# KiCad board NF-Grundplatte.kicad_pcb (continued)
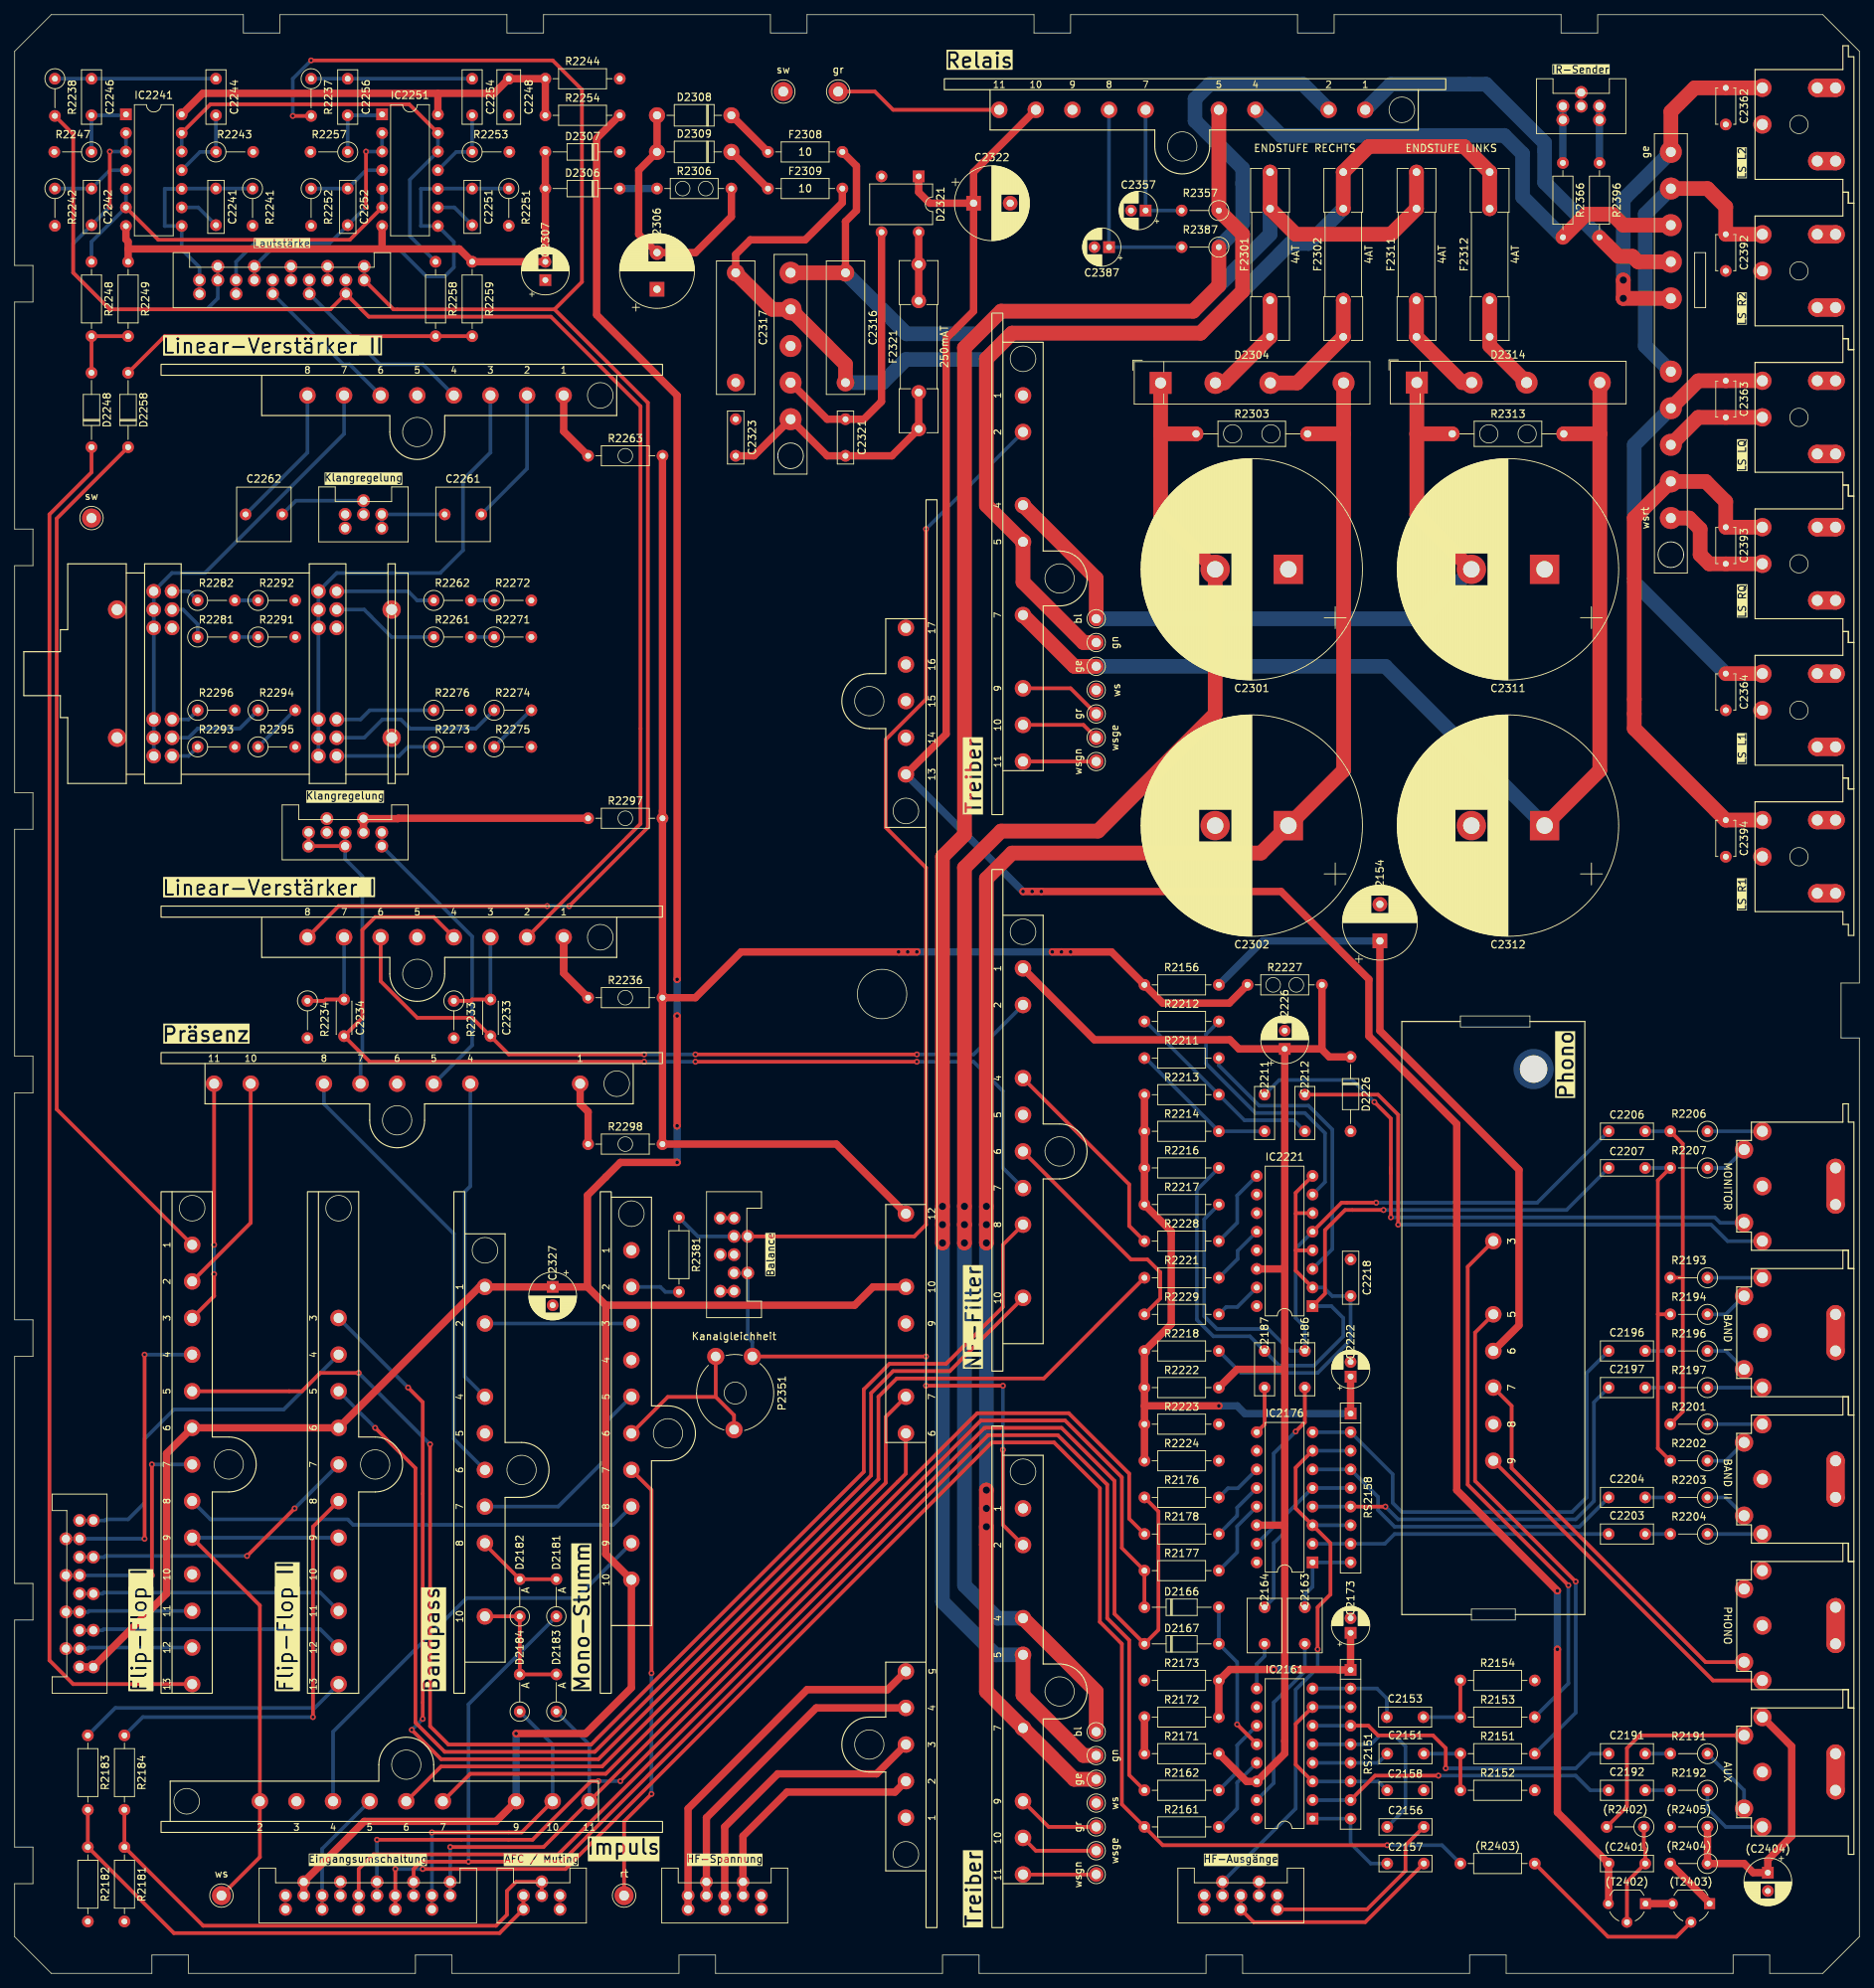
[diagram p0: board, top side]
## Routing (per net, layer and track width the routed paths; a pad name or vN(x,y) marks a point on that pad's centre or on a via; arc(x,y) is an arc through that point) (continued)
SW-PHONO: length 208
  Top w0.5: R2162.2 152.25,27.09 152.25,45.5 149.25,48.5 149.25,66.75 142.5,73.5 133,73.5 74.75,15.25 v1(62,15.25) 55.5,15.25 54.5,14.25 J16.3
  Bottom w0.5: J16.3 J16.3 ; D2181.1 62,36.75 v1(62,15.25)
SW-PRESENCE: length 42.4
  Top w0.5: v1(17.75,59.35) v1(17.75,84.5)
  Bottom w0.5: J3.4 v1(17.75,84.5) ; J21.2 v1(17.75,59.35)
SW-PWR-AM: length 87.3
  Top w0.5: J31.6 121.75,68.25 80.75,27.25 62.25,27.25 J9.7
SW-PWR-FM: length 96.4
  Top w0.5: J9.6 58.25,28.25 80.25,28.25 119,67 119,76 J31.7
SW-RUMBLE: length 32.4
  Top w0.5: v1(18.75,69.5) v1(18.75,54.35)
  Bottom w0.5: J3.7 v1(18.75,69.5) ; J21.4 v1(18.75,54.35)
TREIBER-L-IN: length 153.8
  Top w0.5: J19.4 122.9,100.65 124.5,102.25 124.5,151 119,156.5 119,168.5 124.5,174 v1(124.5,197.25)
  Bottom w0.5: J19.4 93.33,100.65 R2381.2 ; J2.2 v1(124.5,197.25)
TREIBER-R-IN: length 74.6
  Top w0.5: J4.2 135,61.25 v1(135,71.5) ; P2351.3 v1(124.5,84.25) ; v1(124.5,80.25) v1(135,80.25)
  Bottom w0.5: P2351.3 100.78,86.22 100.15,86.85 J19.2 J19.2 ; v1(135,80.25) v1(135,71.5) ; v1(124.5,84.25) v1(124.5,80.25)
VOLUME-L1: length 57.9
  Bottom w0.5: R2251.1 C2251.2 57.86,243.75 IC2251.10 55.5,243.72 55.5,238.63 IC2251.8 60,236.45 60,233 58.75,231.75 56.25,231.75 52.75,235.25 34.88,235.25 J22.7 J22.7
VOLUME-L2: length 37.5
  Top w0.5: v1(48,241.25) v1(48,248.8)
  Bottom w0.5: v1(48,241.25) C2252.1 43,236.25 32.75,236.25 30.25,233.75 J22.8 J22.8 ; IC2251.2 IC2251.3 v1(48,248.8)
VOLUME-R1: length 29.7
  Bottom w0.5: R2241.1 C2241.2 22.85,243.75 IC2241.10 20.5,243.72 20.5,238.63 IC2241.8 22.82,235.43 25.25,233 J22.10
VOLUME-R2: length 50.7
  Top w0.5: v1(13,241.25) v1(13,248.8)
  Bottom w0.5: v1(13,248.8) IC2241.3 ; IC2241.3 IC2241.2 ; IC2241.3 15.75,248.75 ; v1(13,241.25) C2242.1 8,236.25 8,232.25 13,227.25 26.25,227.25 27.75,228.75 J22.9
~10V-1: length 38.6
  Top w1: J23.2 111,212.25 C2321.2 116,212.25 118.42,214.67 D2321.3
~10V-2: length 35.7
  Top w1: F2321.2 F2321.2 119.84,207.25 C2321.1 111,207.25 J23.1 101,207.25 C2323.1
~30V-1: length 128.9
  Top w1: C2316.2 113.5,239.25 115,240.75 115,246.82 F2308.1
  Top w2: F2311.1 F2311.1 188,237.5 175,237.5 F2301.1 F2301.1 ; J23.5 C2316.2
  Bottom w2: F2301.1 171.5,237.5 161,227 134.75,227 131.66,223.91 121.84,223.91 C2316.2
~30V-2: length 155.3
  Top w1: C2317.1 98.5,234.75 100.5,236.75 108,236.75 113.07,241.82 F2309.1
  Top w2: F2302.2 F2302.2 185,249.5 198,249.5 F2312.2 F2312.2 ; C2317.1 103.5,227.25 J23.4 113.5,219.75 C2316.1
  Bottom w2: C2316.1 118.59,217.25 121.75,220.41 132.66,220.41 136.25,224 162,224 174.25,236.25 176.75,236.25 F2302.2
Net-(C2151-Pad2): length 10
  Top w0.5: R2151.2 R2152.1
  Bottom w0.5: R2151.2 C2151.2
Net-(C2153-Pad2): length 10.1
  Top w0.5: R2154.1 R2153.2
  Bottom w0.5: R2153.2 C2153.2
Net-(C2191-Pad1): length 3.4
  Bottom w0.5: C2191.1 R2191.2
Net-(C2192-Pad1): length 3.4
  Bottom w0.5: C2192.1 R2192.2
Net-(C2196-Pad1): length 3.4
  Bottom w0.5: R2196.2 C2196.1
Net-(C2197-Pad1): length 3.4
  Bottom w0.5: R2197.2 C2197.1
Net-(C2203-Pad1): length 3.4
  Bottom w0.5: C2203.1 R2204.2
Net-(C2204-Pad1): length 3.4
  Bottom w0.5: C2204.1 R2203.2
Net-(C2211-Pad1): length 83.1
  Top w0.5: v1(185.75,119) 188,116.75 188,109.25 ; v1(188,103.25) 188,110
  Bottom w0.5: v1(188,103.25) 232.25,103.25 233,102.5 J26.4 ; C2211.1 172.75,122 182.75,122 v1(185.75,119)
Net-(C2211-Pad2): length 20.6
  Bottom w0.5: R2211.1 154.5,125 R2214.2 C2211.2
Net-(C2212-Pad1): length 79.6
  Top w0.5: C2212.1 186.25,120 189,117.25 v1(189,102.25)
  Bottom w0.5: v1(189,102.25) 231.75,102.25 234,100 J26.3
Net-(C2212-Pad2): length 28.1
  Bottom w0.5: R2212.1 154.5,130 R2213.2 168,116.5 174.75,116.5 C2212.2
Net-(C2241-Pad1): length 5.7
  Bottom w0.5: IC2241.9 25.08,241.18 C2241.1
Net-(C2242-Pad2): length 10.7
  Bottom w0.5: IC2241.4 13,246.25 C2242.2 R2242.1
Net-(C2244-Pad1): length 22
  Bottom w0.5: R2238.1 C2246.1 C2244.1
Net-(C2244-Pad2): length 10.7
  Bottom w0.5: C2244.2 R2243.1 25.31,248.75 IC2241.11
Net-(C2246-Pad2): length 9.8
  Bottom w0.5: IC2241.1 15.08,253.75 C2246.2 R2247.1
Net-(C2251-Pad1): length 5.7
  Bottom w0.5: C2251.1 60.08,241.18 IC2251.9
Net-(C2252-Pad2): length 10.7
  Bottom w0.5: R2252.1 C2252.2 48,246.25 IC2251.4
Net-(C2254-Pad1): length 22
  Bottom w0.5: R2237.1 C2256.1 C2254.1
Net-(C2254-Pad2): length 10.7
  Bottom w0.5: IC2251.11 60.31,248.75 R2253.1 C2254.2
Net-(C2256-Pad2): length 9.8
  Bottom w0.5: R2257.1 C2256.2 50.08,253.75 IC2251.1
Net-(D2166-A): length 20.9
  Top w0.5: v1(167,34) 169.68,31.32 IC2161.12
  Bottom w0.5: D2166.2 D2167.2 167,42.5 v1(167,34)
Net-(D2181-A): length 11.9
  Top w0.5: J11.8 64.25,58.58 D2182.2 D2181.2
Net-(D2182-K): length 17.7
  Top w0.5: D2183.2 D2184.2 D2182.1 J11.10
Net-(D2248-A): length 10
  Top w0.5: D2248.2 R2248.2 R2249.2
Net-(D2258-A): length 49.1
  Top w0.5: D2258.2 20.5,223.59 R2258.2 R2259.2
Net-(D2304-Pad2): length 15.1
  Top w2: D2304.2 165.21,217.21 F2301.2 F2301.2
Net-(D2304-Pad3): length 17.6
  Top w2: D2304.3 175.21,217.21 F2302.1 F2302.1
Net-(D2306-K): length 5.1
  Bottom w1: D2306.1 R2306.2
Net-(D2308-A): length 36.9
  Top w1: R2306.1 97.91,239.91 93,235 C2306.2 85.25,237.5 85.25,246.25 D2309.2 D2308.2
Net-(D2308-K): length 7.1
  Top w1: D2308.1 F2308.2
Net-(D2309-K): length 7.1
  Top w1: D2309.1 F2309.2
Net-(D2314-Pad2): length 15.1
  Top w2: D2314.2 197.75,217.25 F2311.2 F2311.2
Net-(D2314-Pad3): length 13.3
  Top w2: F2312.1 F2312.1 201.5,222.29 D2314.3
Net-(D2321-Pad4): length 9.4
  Top w1: F2321.1 F2321.1 D2321.4
Net-(IC2161-O-1): length 24.1
  Bottom w0.5: C2163.1 176.25,41.25 172,37 172,25.99 IC2161.15
Net-(IC2161-O-2): length 6.5
  Bottom w0.5: IC2161.9 169.68,42.25 170.75,43.32 C2164.1
Net-(IC2161-S2): length 10.9
  Bottom w0.5: R2161.1 167,22.5 167,26.06 IC2161.13
Net-(IC2161-S4): length 11
  Bottom w0.5: IC2161.11 167,31.15 167,27.5 R2162.1
Net-(IC2176-O-1): length 24.1
  Top w0.5: C2186.1 176.25,75.25 v1(175,74)
  Bottom w0.5: v1(175,74) 172,71 172,60.99 IC2176.15
Net-(IC2176-O-2): length 6.5
  Top w0.5: IC2176.9 170.75,74.97 C2187.1
Net-(IC2176-S2): length 10.9
  Bottom w0.5: R2177.1 167,57.5 167,61.06 IC2176.13
Net-(IC2176-S3): length 8.4
  Bottom w0.5: IC2176.12 167,63.6 167,62.5 R2178.1
Net-(IC2176-S4): length 6.8
  Bottom w0.5: R2176.1 165.75,66.25 167.1,66.25 IC2176.11
Net-(IC2221-I-2): length 54.6
  Top w0.5: 175,103.75 175.07,103.82 IC2221.6 ; 175,103.75 175,98.75 ; 175,103.75 175,106.6 IC2221.8 ; IC2221.4 175,98.75 175,98.75 ; 175,98.75 175,95.97 IC2221.2
  Bottom w0.5: IC2221.2 178.84,93.66 180,92.5 C2218.1 182.5,86.5 178,82 167.5,82 R2218.2
Net-(IC2221-O-1): length 6.7
  Bottom w0.5: IC2221.15 167.01,91 165.5,91 R2229.1
Net-(IC2221-O-2): length 11.1
  Bottom w0.5: IC2221.9 167,106.22 167,102.5 R2228.1
Net-(IC2221-S3): length 8.4
  Bottom w0.5: R2221.1 167.07,97.57 167.07,98.68 IC2221.12
Net-(J1-+35V-Pad1): length 9.6
  Top w1: J1.1 75,210.59 R2263.2
Net-(J5-L-OUT): length 100.7
  Top w0.5: v1(93,125.5) v1(123.25,125.5) ; J7.6 50,135.5 55,130.5 62.5,130.5 C2233.1 67.5,125.5 v1(86,125.5)
  Bottom w0.5: J5.2 131,125.5 v1(123.25,125.5) ; v1(93,125.5) v1(86,125.5)
Net-(J7-+35V-Pad1): length 14
  Top w1: 75,137.09 J7.1 75,136.59 R2236.2
Net-(J7-L-LEVEL): length 13.6
  Top w0.5: C2234.2 42.5,133 42.31,132.81 R2234.1
  Bottom w0.5: J7.7 C2234.2
Net-(J7-R-IN): length 137.4
  Top w0.5: J7.4 57.25,144.25 49.25,144.25 47.5,142.5 47.5,130.5 C2234.1 48.5,124.5 v1(86,124.5) ; v1(93,124.5) v1(123.25,124.5)
  Bottom w0.5: v1(123.25,124.5) 131,124.5 135,120.5 135,110 J5.7 ; v1(93,124.5) v1(86,124.5)
Net-(J7-R-LEVEL): length 13.6
  Top w0.5: C2233.2 62.5,133 62.31,132.81 R2233.1
  Bottom w0.5: J7.3 C2233.2
Net-(J8-+23V-Pad1): length 8.7
  Top w1: R2298.2 78.34,117.66 77.25,118.75 J8.1
Net-(J10-L-IN): length 20
  Bottom w0.5: J11.2 J10.3
Net-(J10-L-OUT): length 24.6
  Top w0.5: J10.6 89.22,78.72 95.78,78.72 ; P2351.2 98.28,76.22 95.78,78.72 ; P2351.1 95.78,78.72
Net-(J10-R-IN): length 29.1
  Bottom w0.5: J11.7 74.25,63.75 80.75,70.25 80.75,75.25 J10.5
Net-(J10-R-OUT): length 6.8
  Bottom w0.5: R2381.1 88.88,93.07 88.2,93.75 J10.2
Net-(J11-L-IN): length 44.2
  Bottom w0.5: J8.4 62.25,107.5 61.5,106.75 61.5,81.5 J11.4
Net-(J11-R-IN): length 61.9
  Bottom w0.5: J11.6 60,73 60,101 42.25,118.75 J8.8
Net-(J13-Pin_1): length 10.5
  Bottom w0.5: C2261.1 J13.1 J13.1
Net-(J13-Pin_2): length 13.8
  Bottom w0.5: C2262.1 38.42,201.12 J13.2 J13.2
Net-(J14-Pin_1): length 7.8
  Bottom w1: J14.1 R2396.2
Net-(J14-Pin_3): length 7.8
  Bottom w1: J14.3 R2366.2
Net-(J15-Pin_2): length 72.8
  Top w0.5: J15.2 J15.2 68.5,12.5 67.25,11.25 67.25,8 65.75,6.5 25.75,6.5 R2181.1 R2184.2
Net-(J15-Pin_3): length 72.7
  Top w0.5: J15.3 J15.3 66.25,5.5 21.75,5.5 R2182.1 R2183.2
Net-(J18-Pin_1): length 23
  Top w0.5: J18.1 117.5,257 120,254.5 J6.11
Net-(J20-Pin_1): length 41.6
  Bottom w0.5: J8.5 62.5,126.75 62.5,141.6 J20.1 J20.1
Net-(J20-Pin_2): length 32.6
  Top w1: J20.2 J20.2 52.38,157.7 52.42,157.75 R2297.2
Net-(J20-Pin_3): length 42.3
  Top w0.5: J20.5 J20.5 J20.3
  Bottom w0.5: J8.7 47.25,125.5 47.5,125.75 47.5,149.82 45.15,152.18 J20.3
Net-(J25-IN-L): length 49.2
  Top w0.5: J29.3 232,40 J25.9
Net-(J25-IN-R): length 54.8
  Top w0.5: J29.4 231,42.5 204.5,69 204.5,77.5 J25.7
Net-(J25-OUT-L): length 69
  Top w0.5: J25.5 199.5,87.5 199.5,67.25 v1(213.25,53.5)
  Bottom w0.5: R2151.1 213.25,35.59 v1(213.25,53.5)
Net-(J25-OUT-R): length 74
  Top w0.5: v1(212.25,53) 198.5,66.75 198.5,96.5 J25.3
  Bottom w0.5: v1(212.25,53) 212.25,39.59 R2153.1
Net-(J25-VCC): length 89.8
  Top w1: J25.6 205.5,88.5 205.5,109.75 186.5,128.75 C2154.1
  Bottom w1: C2154.1 170.5,141 R2156.2
Net-(J26-Pad1): length 7.5
  Bottom w0.5: R2206.1 J26.1
Net-(J26-Pad5): length 6
  Bottom w0.5: R2207.1 233.75,110 J26.5
Net-(J27-Pad1): length 7.5
  Bottom w0.5: R2193.1 J27.1
Net-(J27-Pad3): length 7.5
  Bottom w0.5: R2197.1 J27.3
Net-(J27-Pad4): length 6
  Bottom w0.5: J27.4 233.75,85 R2196.1
Net-(J27-Pad5): length 6
  Bottom w0.5: R2194.1 233.75,90 J27.5
Net-(J28-Pad1): length 7.5
  Bottom w0.5: J28.1 R2201.1
Net-(J28-Pad3): length 7.5
  Bottom w0.5: R2204.1 J28.3
Net-(J28-Pad4): length 6
  Bottom w0.5: R2203.1 233.75,65 J28.4
Net-(J28-Pad5): length 6
  Bottom w0.5: J28.5 233.75,70 R2202.1
Net-(J30-Pad3): length 11
  Bottom w0.5: R2192.1 231.25,22.5 233.75,20 J30.3
Net-(J30-Pad4): length 9.6
  Bottom w0.5: J30.4 236.25,25 R2191.1
Net-(J32-Pin_1): length 60.8
  Top w0.5: v1(87,24.5) 83.25,20.75 J32.1 ; J10.7 87,66 v1(87,41)
  Bottom w0.5: v1(87,41) v1(87,24.5)
Net-(J34-Pin_1): length 10
  Top w0.5: J34.1 J2.11
Net-(J35-Pin_1): length 11.4
  Top w0.5: J35.1 144.25,175.5 J2.9
Net-(J36-Pin_1): length 10.7
  Top w0.5: J2.10 146,170.5 J36.1
Net-(J40-Pin_1): length 10
  Top w0.5: J4.11 J40.1
Net-(J41-Pin_1): length 11.4
  Top w0.5: J4.9 141.25,20 J41.1
Net-(J42-Pin_1): length 10.7
  Top w0.5: J4.10 139.5,16.75 J42.1
Net-(R2171-Pad1): length 5
  Top w1: R2172.1 R2171.1
Net-(R2261-Pad1): length 14.8
  Bottom w0.5: SW1.6 47.75,186.25 51.5,182.5 R2261.1
Net-(R2261-Pad2): length 3.2
  Bottom w0.5: R2261.2 R2271.1
Net-(R2262-Pad1): length 13.8
  Bottom w0.5: R2262.1 55,187.5 53.75,188.75 SW1.7
Net-(R2262-Pad2): length 3.2
  Bottom w0.5: R2262.2 R2272.1
Net-(R2273-Pad1): length 13.8
  Bottom w0.5: R2273.1 53.75,167.5 52.5,166.25 SW1.8
Net-(R2274-Pad1): length 24.1
  Bottom w0.5: R2274.1 63,170 54,170 52.75,171.25 50.25,171.25 47.75,168.75 SW1.9
Net-(R2274-Pad2): length 7.2
  Bottom w0.5: R2274.2 70.5,172.5 R2275.1
Net-(R2276-Pad1): length 13.8
  Bottom w0.5: R2276.1 48.5,172.5 47.25,171.25 SW1.10
Net-(R2281-Pad1): length 6.1
  Bottom w0.5: R2281.1 25,184.25 23,186.25 SW1.16
Net-(R2281-Pad2): length 3.2
  Bottom w0.5: R2281.2 R2291.1
Net-(R2282-Pad1): length 4
  Bottom w0.5: SW1.17 23.75,188.75 R2282.1
Net-(R2282-Pad2): length 3.2
  Bottom w0.5: R2282.2 R2292.1
Net-(R2293-Pad1): length 4
  Bottom w0.5: SW1.18 23.75,166.25 R2293.1
Net-(R2294-Pad1): length 13.3
  Bottom w0.5: SW1.19 23.75,168.75 25,170 30.75,170 R2294.1
Net-(R2294-Pad2): length 7.2
  Bottom w0.5: R2295.1 38.25,172.5 R2294.2
Net-(R2296-Pad1): length 4
  Bottom w0.5: SW1.20 23.75,171.25 R2296.1
Net-(RS2151-common): length 28.7
  Top w1: C2173.1 RS2151.1 180.81,41.44 180.75,41.5 v3(175,41.5) ; v3(172,41.5) 166,41.5 R2173.1 R2172.2
  Bottom w1: v3(172,41.5) v3(175,41.5)
Net-(RS2158-common): length 86.7
  Top w1: C2222.1 RS2158.1 ; R2213.1 R2217.1 158,101.34 158,88.66 R2218.1 154.34,77.5 ; 154.34,77.5 R2224.1 ; 154.34,77.5 v3(164.5,77.5)
  Bottom w1: v3(164.5,77.5) 167,77.5 168.06,76.44 RS2158.1
Net-(ST16-Pin_1): length 28.6
  Top w0.5: C2156.2 190,17.5 190,14 184.75,8.75 ST16.1
  Bottom w0.5: ST16.1 ST16.1
Net-(ST16-Pin_3): length 30.9
  Top w0.5: ST16.3 169.25,7 184.5,7 C2157.2
  Bottom w0.5: ST16.3 ST16.3
Net-(T2402-B): length 14.1
  Top w0.5: T2402.2 220.25,12.5 C2401.2 222.75,17 222.56,17.19 R2402.1
Net-(T2402-C): length 3.7
  Top w1: T2402.1 T2403.3
Net-(T2403-B): length 26.3
  Top w0.5: T2403.2 227.02,5 217.66,5 R2403.1
Net-(T2403-C): length 7.7
  Top w1: R2404.2 231.54,9.63 T2403.1
unconnected-(J19-Pin_1-Pad1): length 1.9
  Top w0.5: J19.1 J19.1
unconnected-(J19-Pin_5-Pad5): length 1.9
  Top w0.5: J19.5 J19.5

## Copper pours and planes (outline as drawn; the poured copper is in the pictures)
GND on Bottom: 0,5 0,262.5 5,267.5 247,267.5 252,262.5 252,135.25 249.5,135.25 249.5,127.75 252,127.75 252,5 247,0 5,0

## Text on the board
B.Mask: Rev. A / 2024-06-15 / Yannick Bock
B.Silkscreen: +11.5V | AFC | PRES | +12V | MONO | NOISE | LOUDN | MUTING | RUMBLE | MONITOR | SET | LOUDNESS | PRESENCE | +6V | -8.2V | +35V | +23V | -42V | FM-MONO | +45V | ~30V | ~10V | +42V | +22V | AUX | MONIT. | BAND2 | BAND1 | AM/FM | PHONO | L | R | ENDSTUFE RECHTS | NF-Filter | Linear-Verstärker I | Lautstärke | Linear-Verstärker II | Klangregelung | Präsenz | Bandpass | Mono-Stumm | Treiber | Endstufe | Relais | ENDSTUFE LINKS | FM-Sp.-Umsch. | AM-Sp.-Umsch. | B2 | IMPULS | B1 | PH | FM | AM | MUT. | +15V FM | +15V AM | +15V | FM L | FM R | G6 | G7
F.Silkscreen: sw | ws | Lautstärke | Klangregelung | Eingangsumschaltung | AFC / Muting | rt | HF-Spannung | Kanalgleichheit | 10 | gr | HF-Ausgänge | ENDSTUFE RECHTS | ENDSTUFE LINKS | (R2403) | IR-Sender | (R2402) | (T2402) | (C2401) | (R2405) | (R2404) | (T2403) | (C2404) | LS L2 | LS R2 | LS LQ | LS RQ | LS L1 | LS R1 | Balance | bl | ge | wsgn | gn | wsge | wsrt
